# Altium PCB PCB1.PcbDoc (part 2 of 2)
Units mil, origin at the board's own origin, x right, y up, seen from the top; angles counter-clockwise.
Board outline 3937.01 x 3937.01 mil, 4 copper layers (Top Layer, Mid Layer 1, Mid Layer 2, Bottom Layer), stack 61.811 mil thick; 188 components, 212 nets, 743 pads, 260 vias.
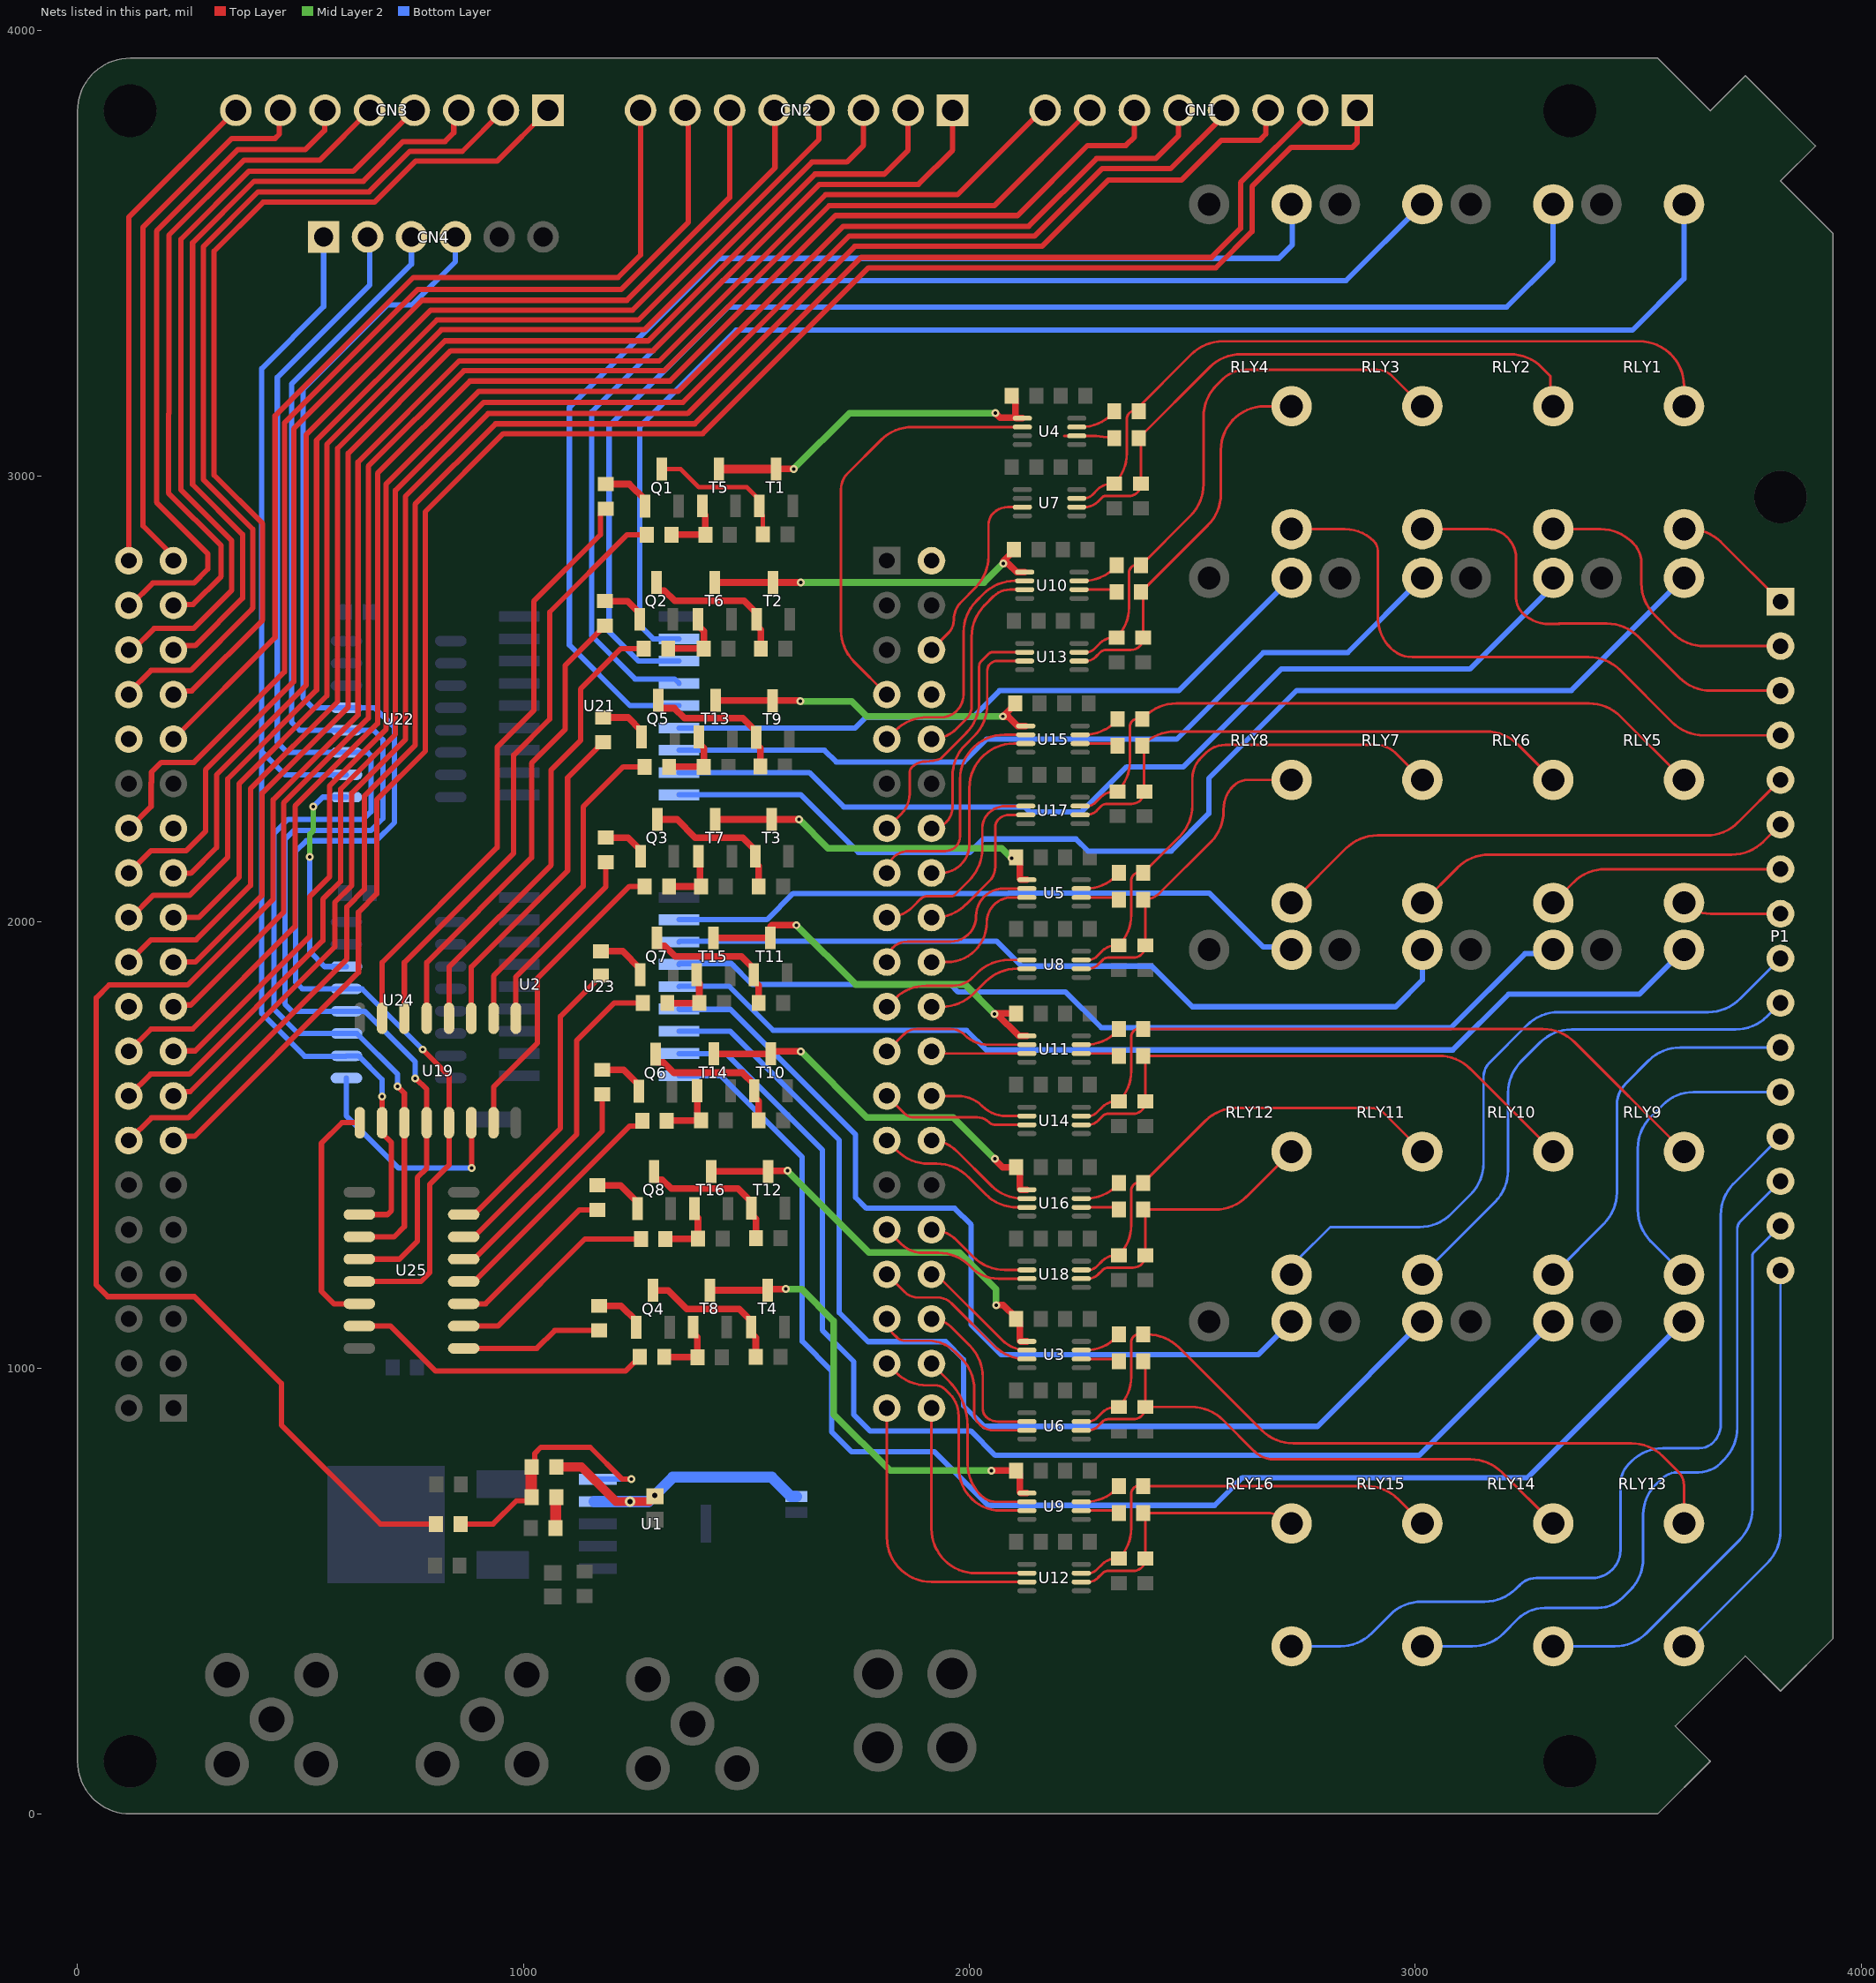
[diagram p4: the nets of this part, all layers, seen from the top]

## Via types
v1: diameter 23.62, hole 11.81, Top Layer to Bottom Layer, 155 vias
v2: diameter 17.72, hole 7.87, Top Layer to Bottom Layer, 80 vias
v3: diameter 31.5, hole 15.75, Top Layer to Bottom Layer, 13 vias
v4: diameter 23.62, hole 11.81, Top Layer to Bottom Layer, tented both sides, 10 vias
v5: diameter 17.72, hole 7.87, Top Layer to Bottom Layer, tented both sides, 2 vias

## Nets (pads, with @x,y where several pads share a name; then routed paths per layer and width w, separated by ;. In a path a pad name is that pad's centre, name@x,y a point inside that pad or via, vN(x,y) a via of type N, cw(c..) or ccw(c..) an arc to the next point about the centre after c; other vN are vias at no path point) (continued)
GPIO_03: U2.06 U7.3 | length 422.8
  Top Layer w5.78: U2.06@1915,2610 1952.98,2647.98 ccw(c1923.96,2677) 1965,2677 cw(c2022.94,2677) 1981.97,2717.97 2013.71,2749.71 ccw(c1943,2820.42) 2043,2820.42 2043,2890.44 cw(c2080.56,2890.44) 2054,2917 cw(c2085.77,2885.23) 2085.77,2930.16 U7.3@2118.87,2930.16
GPIO_04: U2.07 U4.2 | length 969
  Top Layer w5.78: U2.07@1815,2510 1741.29,2583.71 cw(c1812,2654.42) 1712,2654.42 1712,2970 cw(c1762.7,2970) 1726.83,3005.83 1801.55,3080.55 cw(c1872.26,3009.84) 1872.26,3109.84 U4.2@2118.87,3109.84
GPIO_05: U2.08
GPIO_06: U2.09 U10.2 | length 557.1
  Top Layer w5.78: U2.09@1815,2410 1834.71,2429.71 cw(c1905.42,2359) 1905.42,2459 1937,2459 ccw(c1937,2507.28) 1971.14,2473.14 1972,2474 ccw(c1935.79,2510.21) 1987,2510.21 1987,2649.58 cw(c2087,2649.58) 2016.29,2720.29 2031.55,2735.55 cw(c2102.26,2664.84) 2102.26,2764.84 U10.2@2123.98,2764.84
GPIO_07: U2.010 U10.3 | length 461.4
  Top Layer w5.78: U2.010@1915,2410 ccw(c1915,2489.67) 1971.33,2433.33 1993,2455 ccw(c1964.03,2483.97) 2005,2483.97 2005,2639.58 cw(c2105,2639.58) 2034.29,2710.29 2054,2730 cw(c2090.6,2693.4) 2090.6,2745.16 U10.3@2123.98,2745.16
GPIO_08: U2.013 U13.2 | length 581.9
  Top Layer w5.78: U2.013@1815,2210 1846.91,2241.91 ccw(c1800.82,2288) 1866,2288 1866,2334.93 cw(c1883.07,2334.93) 1871,2347 cw(c1902.38,2315.62) 1902.38,2360 ccw(c1902.38,2453.23) 1935.46,2366.06 1992.71,2423.32 ccw(c1922,2494.03) 2022,2494.03 2022,2573 cw(c2038.9,2573) 2026.94,2584.94 2044,2602 cw(c2050.86,2595.14) 2050.86,2604.84 U13.2@2123.98,2604.84
GPIO_09: U2.014 U13.3 | length 500.2
  Top Layer w5.78: U2.014@1915,2210 ccw(c1915,2257) 1962,2257 1962,2326.58 cw(c2062,2326.58) 1991.29,2397.29 2010.71,2416.71 ccw(c1940,2487.42) 2040,2487.42 2040,2563 cw(c2062.16,2563) 2062.16,2585.16 U13.3@2123.98,2585.16
GPIO_010: U2.015 U15.2 | length 543.1
  Top Layer w5.78: U2.015@1815,2110 cw(c1864,2110) 1864,2159 1946,2159 ccw(c1946,2192) 1979,2192 1979,2319.84 cw(c2079,2319.84) 2079,2419.84 U15.2@2126.42,2419.84
GPIO_011: U2.016 U15.3 | length 431.2
  Top Layer w5.78: U2.016@1915,2110 1936,2110 ccw(c1936,2174) 2000,2174 2000,2300.16 cw(c2100,2300.16) 2100,2400.16 U15.3@2126.42,2400.16
GPIO_012: U2.017 U17.2 | length 464.2
  Top Layer w5.78: U2.017@1815,2010 ccw(c1815,2092.08) 1873.04,2034.04 1890.64,2051.64 cw(c1906,2036.27) 1906,2058 1961.15,2058 ccw(c1961.15,2064.88) 1965.99,2059.99 ; 1966,2060 1999.71,2093.71 ccw(c1929,2164.42) 2029,2164.42 2029,2210.2 cw(c2076.8,2210.2) 2043,2244 cw(c2081.24,2205.76) 2081.24,2259.84 U17.2@2126.42,2259.84
GPIO_013: U2.018 U17.3 | length 368.3
  Top Layer w5.78: U2.018@1915,2010 1921.58,2010 ccw(c1921.58,2110) 1992.29,2039.29 2049.29,2096.29 ; 2050,2097 2049.29,2096.29 ; U17.3@2126.42,2240.16 2089.53,2240.16 ccw(c2089.53,2205.47) 2065,2230 ccw(c2081.9,2213.1) 2058,2213.1 2058,2123.8 cw(c2010.2,2123.8) 2049.29,2096.29
GPIO_014: U2.019 U5.2 | length 408
  Top Layer w5.78: U2.019@1815,1910 cw(c1861,1910) 1861,1956 1958,1956 ccw(c1958,2013) 2015,2013 cw(c2076.84,2013) 2076.84,2074.84 U5.2@2128.87,2074.84
GPIO_015: U2.020 U5.3 | length 296.7
  Top Layer w5.78: U2.020@1915,1910 1950,1910 ccw(c1950,1999) 2039,1999 cw(c2095.16,1999) 2095.16,2055.16 U5.3@2128.87,2055.16
GPIO_016: U2.021 U8.2 | length 345.9
  Top Layer w5.78: U2.021@1815,1810 1832.71,1827.71 cw(c1903.42,1757) 1903.42,1857 1962.13,1857 ccw(c1962.13,1921.87) 2008,1876 2017.55,1885.55 cw(c2088.26,1814.84) 2088.26,1914.84 U8.2@2128.87,1914.84
GPIO_017: U2.022 U8.3 | length 240.6
  Top Layer w5.78: U2.022@1915,1810 1938.58,1810 ccw(c1938.58,1910) 2009.29,1839.29 2036,1866 cw(c2106.4,1795.6) 2106.4,1895.16 U8.3@2128.87,1895.16
GPIO_18: CN1.1 U2.113 | length 4230.4
  Top Layer w12: U2.113@215,1510 224.57,1519.57 262.57,1519.57 630,1887 630,2022 671,2063 671,2274 780,2383 780,2920 955,3095 1402,3095 1774,3467 2553,3467 2634,3548 2634,3649 2722,3737 2859,3737 2870,3748 CN1.1@2870,3820
GPIO_018: U2.023 U11.2 | length 342.3
  Top Layer w5.78: U2.023@1815,1710 1852.98,1747.98 cw(c1882,1718.96) 1882,1760 1957.62,1760 cw(c1957.62,1715.62) 1989,1747 ccw(c2042.5,1800.5) 2042.5,1724.84 U11.2@2128.98,1724.84
GPIO_19: CN1.2 U2.114 | length 4179.8
  Top Layer w12: U2.114@115,1510 166,1561 248,1561 604,1917 604,2034 643,2073 643,2282 757,2396 757,2936.6 937.4,3117 1384.4,3117 1757.4,3490 2543,3490 2608,3555 2608,3658 CN1.2@2770,3820
GPIO_019: U2.024 U11.3 | length 215.3
  Top Layer w5.78: U2.024@1915,1710 ccw(c1926.68,1721.68) 1926.68,1705.16 U11.3@2128.98,1705.16
GPIO_020: U2.025 U14.3 | length 337.1
  Top Layer w5.78: U2.025@1815,1610 1854.53,1570.47 ccw(c1875,1590.97) 1875,1562 2017.44,1562 cw(c2017.44,1524.44) 2044,1551 ccw(c2058.1,1565.1) 2058.1,1545.16 U14.3@2128.98,1545.16
GPIO_021: U2.026 U14.2 | length 226.1
  Top Layer w5.78: U2.026@1915,1610 1973.47,1610 cw(c1973.47,1531.47) 2029,1587 ccw(c2082.5,1640.5) 2082.5,1564.84 U14.2@2128.98,1564.84
GPIO_022: U2.027 U16.3 | length 363.2
  Top Layer w5.78: U2.027@1815,1510 1838.04,1486.96 ccw(c1908,1556.98) 1908,1458 1926.58,1458 cw(c1926.58,1358) 1997.29,1428.71 2036.55,1389.45 ccw(c2107.26,1460.16) 2107.26,1360.16 U16.3@2128.98,1360.16
GPIO_023: U2.028 U16.2 | length 260.2
  Top Layer w5.78: U2.028@1915,1510 cw(c1915,1430.33) 1971.33,1486.67 2048.87,1409.13 ccw(c2119.58,1479.84) 2119.58,1379.84 U16.2@2128.98,1379.84
GPIO_024: U2.031 U18.3 | length 348.5
  Top Layer w5.78: U2.031@1815,1310 1846.51,1278.49 ccw(c1896,1328.01) 1896,1258 1930.58,1258 cw(c1930.58,1158) 2001.29,1228.71 2005,1225 ccw(c2064.97,1284.97) 2064.97,1200.16 U18.3@2128.98,1200.16
GPIO_025: U2.032 U18.2 | length 243.6
  Top Layer w5.78: U2.032@1915,1310 cw(c1915,1230.33) 1971.33,1286.67 2008.87,1249.13 ccw(c2079.58,1319.84) 2079.58,1219.84 U18.2@2128.98,1219.84
GPIO_026: U2.033 U3.3 | length 384.5
  Top Layer w5.78: U2.033@1815,1210 1854.27,1170.73 ccw(c1885,1201.46) 1885,1158 1928.62,1158 cw(c1928.62,1113.62) 1960,1145 2055.55,1049.45 ccw(c2126.26,1120.16) 2126.26,1020.16 U3.3@2128.98,1020.16
GPIO_027: U2.034 U3.2 | length 279.9
  Top Layer w5.78: U2.034@1915,1210 cw(c1915,1183.44) 1933.78,1202.22 2072.97,1063.03 ccw(c2128.98,1119.07) U3.2@2128.98,1039.84
GPIO_028: U2.035 U6.3 | length 477.4
  Top Layer w5.78: U2.035@1815,1110 ccw(c1860.87,1110) 1828.44,1077.56 1838,1068 ccw(c1854.9,1084.9) 1854.9,1061 1908.24,1061 cw(c1908.24,977.09) 1967.58,1036.42 1981.71,1022.29 cw(c1911,951.58) 2011,951.58 2011,898 ccw(c2039.97,898) 2019.49,877.51 2024.89,872.11 ccw(c2053.74,900.97) 2053.74,860.16 U6.3@2128.98,860.16
GPIO_029: U2.036 U6.2 | length 371.7
  Top Layer w5.78: U2.036@1915,1110 cw(c1915,1047.23) 1959.38,1091.62 2000.71,1050.29 cw(c1930,979.58) 2030,979.58 2030,907.9 ccw(c2053.9,907.9) 2037,891 ccw(c2063.94,917.94) 2063.94,879.84 U6.2@2128.98,879.84
GPIO_030: U2.037 U9.3 | length 542.5
  Top Layer w5.78: U2.037@1815,1010 1834.71,990.29 ccw(c1905.42,1061) 1905.42,961 1923.27,961 cw(c1923.27,927.85) 1946.71,951.29 1955,943 ; 1955.01,942.99 cw(c1904.3,892.3) 1976,892.3 1976,777.42 ccw(c2076,777.42) 2005.29,706.71 ccw(c2069.39,770.81) 2069.39,680.16 U9.3@2128.98,680.16
GPIO_031: U2.038 U9.2 | length 438.1
  Top Layer w5.78: U2.038@1915,1010 1953.49,971.51 cw(c1850.86,868.88) 1996,868.88 1996,785.42 ccw(c2096,785.42) 2025.29,714.71 ccw(c2061.19,750.61) 2061.19,699.84 U9.2@2128.98,699.84
GPIO_032: U2.039 U12.3 | length 660.9
  Top Layer w5.78: U2.039@1815,910 1815,620.16 ccw(c1915,620.16) 1915,520.16 U12.3@2128.98,520.16
GPIO_033: U2.040 U12.2 | length 541.5
  Top Layer w5.78: U2.040@1915,910 1915,639.42 ccw(c2015,639.42) 1944.29,568.71 ccw(c2013.99,638.41) 2013.99,539.84 U12.2@2128.98,539.84
GPIO_110: CN1.3 U2.115 | length 3897.7
  Top Layer w12: U2.115@215,1610 224.57,1619.57 252.57,1619.57 577,1944 577,2044 615,2082 615,2289 735,2409 735,2954.2 920.8,3140 1367.8,3140 1742.8,3515 2163,3515 2312,3664 2476,3664 2565,3753 2651,3753 2664.57,3766.57 2664.57,3814.57 CN1.3@2670,3820
GPIO_111: CN1.4 U2.116 | length 3873.3
  Top Layer w12: U2.116@115,1610 164,1659 251,1659 550,1958 550,2051 590,2091 590,2298 713,2421 713,2967.55 910.72,3165.28 1357.72,3165.28 1730.72,3538.28 2146.72,3538.28 2297.45,3689 2451,3689 2566,3804 2566,3816 CN1.4@2570,3820
GPIO_112: CN1.5 U2.117 | length 3655.6
  Top Layer w12: U2.117@215,1710 216,1711 264,1711 521,1968 521,2057 565,2101 565,2305 692.25,2432.25 692.25,2982.16 900.09,3190 1347.09,3190 1717.09,3560 2133.09,3560 2285.09,3712 2418,3712 2469,3763 2469,3819 CN1.5@2470,3820
GPIO_113: CN1.6 U2.118 | length 3650.9
  Top Layer w12: U2.118@115,1710 165,1760 258,1760 488,1990 488,2260 673,2445 673,3006 880,3213 1329,3213 1700,3584 2108,3584 2265,3741 2351,3741 2370,3760 CN1.6@2370,3820
GPIO_114: CN1.7 U2.119 | length 3361.9
  Top Layer w12: U2.119@215,1810 219,1814 254,1814 462,2022 462,2267 652,2457 652,3021.77 866.23,3236 1315.23,3236 1685.23,3606 2056,3606 CN1.7@2270,3820
GPIO_115: U2.120
GPIO_116: CN2.1 U2.121 | length 3058.5
  Top Layer w12: U2.121@215,1910 264,1910 414,2060 414,2289 607,2482 607,3051 837,3281 1291,3281 1664,3654 1886,3654 1962.5,3730.5 CN2.1@1962.5,3820
GPIO_117: CN2.2 U2.122 | length 3050.9
  Top Layer w12: U2.122@115,1910 165,1960 266,1960 388,2082 388,2299 583,2494 583,3062 824,3303 1280,3303 1654,3677 1809,3677 1862.5,3730.5 CN2.2@1862.5,3820
GPIO_118: CN2.3 U2.123 | length 2796.6
  Top Layer w12: U2.123@215,2010 272,2010 362,2100 362,2310 559,2507 559,3071 816,3328 1271,3328 1647,3704 1725,3704 1762.5,3741.5 CN2.3@1762.5,3820
GPIO_119: CN2.4 U2.124 | length 2766.7
  Top Layer w12: U2.124@115,2010 120,2010 170,2060 252,2060 337,2145 337,2321 536,2520 536,3080 806,3350 1258,3350 1662.5,3754.5 CN2.4@1662.5,3820
GPIO_120: CN2.5 U2.125 | length 2559
  Top Layer w12: U2.125@215,2110 216,2109 254,2109 312,2167 312,2330 513,2531 513,3093 792,3372 1245,3372 1564,3691 1564,3818.5 CN2.5@1562.5,3820
GPIO_121: CN2.6 U2.126 | length 2583.3
  Top Layer w12: U2.126@115,2110 165,2160 244,2160 287,2203 287,2341 485,2539 485,3106 773,3394 1232,3394 1462.5,3624.5 CN2.6@1462.5,3820
GPIO_123: CN2.7 U2.128 | length 2443.4
  Top Layer w12: U2.128@115,2210 116,2210 165,2259 165,2312 166,2313 166,2336 188,2358 261,2358 464,2561 464,3119 763,3418 1219,3418 1370,3569 1370,3812.5 CN2.7@1362.5,3820
GPIO_124: CN2.8 U2.131 | length 2112.8
  Top Layer w12: U2.131@215,2410 443,2638 443,3135 753,3445 1212,3445 1262.5,3495.5 CN2.8@1262.5,3820
GPIO_126: CN3.1 U2.133 | length 2021.2
  Top Layer w12: U2.133@215,2510 223,2518 256,2518 415,2677 415,2893 306,3002 306,3504 416,3614 666,3614 758,3706 941,3706 CN3.1@1055,3820
GPIO_127: CN3.2 U2.134 | length 2017
  Top Layer w12: U2.134@115,2510 115,2514 165,2564 254,2564 390,2700 390,2701 393,2704 393,2881 282,2992 282,3514 405,3637 654,3637 745,3728 863,3728 CN3.2@955,3820
GPIO_128: CN3.3 U2.135 | length 1789.3
  Top Layer w12: U2.135@215,2610 224.57,2619.57 263.57,2619.57 370,2726 370,2869 258,2981 258,3523 396,3661 641,3661 730,3750 824,3750 843.74,3769.74 843.74,3808.74 CN3.3@855,3820
GPIO_129: CN3.4 U2.136 | length 1763.4
  Top Layer w12: U2.136@115,2610 124,2610 172,2658 260,2658 346,2744 346,2855 232,2969 232,3531 384,3683 618,3683 CN3.4@755,3820
GPIO_130: CN3.5 U2.137 | length 1514.2
  Top Layer w12: U2.137@215,2710 217,2712 259,2712 322,2775 322,2844 204,2962 204,3139 205,3140 205,3540 373,3708 543,3708 CN3.5@655,3820
GPIO_131: CN3.6 U2.138 | length 1532.2
  Top Layer w12: U2.138@115,2710 119,2710 169,2760 261,2760 292,2791 292,2826 177,2941 177,3549 360,3732 511,3732 554,3775 554,3819 CN3.6@555,3820
GPIO_132: CN3.7 U2.139 | length 1222.6
  Top Layer w12: U2.139@215,2810 215,2820 147,2888 147,3558 346,3757 443,3757 452.57,3766.57 452.57,3817.57 CN3.7@455,3820
GPIO_133: CN3.8 U2.140 | length 1109.4
  Top Layer w12: U2.140@115,2810 115,3580 CN3.8@355,3820
IO1: P1.1 RLY1.3 | length 279.3
  Top Layer w5.78: RLY1.3@3602.5,2880.85 3615.13,2880.85 cw(c3615.13,2780.85) 3685.84,2851.56 P1.1@3818.9,2718.5
IO2: P1.2 RLY2.3 | length 669
  Top Layer w5.78: RLY2.3@3309.17,2880.85 3415.73,2880.85 cw(c3415.73,2780.85) 3486.44,2851.56 3488.62,2849.38 cw(c3444.23,2805) 3507,2805 3507,2759.42 ccw(c3607,2759.42) 3536.29,2688.71 3577.21,2647.79 ccw(c3647.92,2718.5) 3647.92,2618.5 P1.2@3818.9,2618.5
IO3: P1.3 RLY3.3 | length 1018.4
  Top Layer w5.78: RLY3.3@3015.83,2880.85 3162.91,2880.85 cw(c3162.91,2819.91) 3206,2863 cw(c3157.72,2814.72) 3226,2814.72 3226,2726.8 ccw(c3273.8,2726.8) 3240,2693 ccw(c3300.36,2753.36) 3300.36,2668 3324,2668 ccw(c3321.59,2665.59) 3321.59,2669 3429.58,2669 cw(c3429.58,2569) 3500.29,2639.71 3592.21,2547.79 ccw(c3662.92,2618.5) 3662.92,2518.5 P1.3@3818.9,2518.5
IO4: P1.4 RLY4.3 | length 1385.2
  Top Layer w5.78: RLY4.3@2722.5,2880.85 2842.18,2880.85 cw(c2842.18,2789.18) 2907,2854 cw(c2885.27,2832.27) 2916,2832.27 2916,2684.01 ccw(c3015.01,2684.01) 2945,2614 ccw(c2993.28,2662.28) 2993.28,2594 3388.58,2594 cw(c3388.58,2494) 3459.29,2564.71 3576.21,2447.79 ccw(c3646.92,2518.5) 3646.92,2418.5 P1.4@3818.9,2418.5
IO5: P1.5 RLY8.3 | length 1201.9
  Top Layer w5.78: RLY8.3@2722.5,2043.08 2844.13,2164.71 cw(c2914.84,2094) 2914.84,2194 3652.97,2194 ccw(c3652.97,2294) 3723.68,2223.29 P1.5@3818.9,2318.5
IO6: P1.6 RLY7.3 | length 867.1
  Top Layer w5.78: RLY7.3@3015.83,2043.08 3094.46,2121.71 cw(c3165.17,2051) 3165.17,2151 3709.97,2151 ccw(c3709.97,2251) 3780.68,2180.29 P1.6@3818.9,2218.5
IO7: P1.7 RLY6.3 | length 536.7
  Top Layer w5.78: RLY6.3@3309.17,2043.08 3355.3,2089.21 cw(c3426.01,2018.5) 3426.01,2118.5 P1.7@3818.9,2118.5
IO8: P1.8 RLY5.3 | length 223
  Top Layer w5.78: RLY5.3@3602.5,2043.08 ccw(c3661.84,2102.42) 3661.84,2018.5 P1.8@3818.9,2018.5
IO9: P1.9 RLY12.3 | length 1528.8
  Bottom Layer w5.78: RLY12.3@2722.5,1209.47 cw(c2770.86,1209.47) 2736.67,1243.67 2809,1316 3009.58,1316 ccw(c3009.58,1416) 3080.29,1345.29 3123.71,1388.71 ccw(c3053,1459.42) 3153,1459.42 3153,1652.62 cw(c3197.38,1652.62) 3166,1684 3250.71,1768.71 cw(c3321.42,1698) 3321.42,1798 3656.97,1798 ccw(c3656.97,1898) 3727.68,1827.29 P1.9@3818.9,1918.5
IO10: P1.10 RLY11.3 | length 1188.3
  Bottom Layer w5.78: RLY11.3@3015.83,1209.47 3178.71,1372.34 ccw(c3108,1443.05) 3208,1443.05 3208,1616.58 cw(c3308,1616.58) 3237.29,1687.29 3279.71,1729.71 cw(c3350.42,1659) 3350.42,1759 3717.97,1759 ccw(c3717.97,1859) 3788.68,1788.29 P1.10@3818.9,1818.5
IO11: P1.11 RLY10.3 | length 864.6
  Bottom Layer w5.78: RLY10.3@3309.17,1209.47 3422.71,1323.01 ccw(c3352,1393.72) 3452,1393.72 3452,1589 cw(c3522.01,1589) 3472.49,1638.49 3523.21,1689.21 cw(c3593.93,1618.5) 3593.93,1718.5 P1.11@3818.9,1718.5
IO12: P1.12 RLY9.3 | length 709.5
  Bottom Layer w5.78: RLY9.3@3602.5,1209.47 3528.29,1283.68 cw(c3599,1354.39) 3499,1354.39 3499,1492.58 cw(c3599,1492.58) 3528.29,1563.29 3555.01,1590.01 cw(c3623.81,1521.19) 3623.81,1618.5 P1.12@3818.9,1618.5
IO13: P1.13 RLY16.3 | length 1963.7
  Bottom Layer w5.78: RLY16.3@2722.5,375.85 2831.43,375.85 ccw(c2831.43,475.85) 2902.14,405.14 2943.71,446.71 cw(c3014.42,376) 3014.42,476 3155.58,476 ccw(c3155.58,576) 3226.29,505.29 3235,514 cw(c3271.21,477.79) 3271.21,529 3396.13,529 ccw(c3396.13,593.87) 3442,548 ccw(c3398.54,591.46) 3460,591.46 3460,739.13 cw(c3524.87,739.13) 3479,785 3484.71,790.71 cw(c3555.42,720) 3555.42,820 3636.62,820 ccw(c3636.62,864.38) 3668,833 ccw(c3626.96,874.04) 3685,874.04 3685,1343.18 cw(c3785,1343.18) 3714.29,1413.9 P1.13@3818.9,1518.5
IO14: P1.14 RLY15.3 | length 1601.1
  Bottom Layer w5.78: RLY15.3@3015.83,375.85 3127.43,375.85 ccw(c3127.43,475.85) 3198.14,405.14 3230,437 cw(c3290.36,376.64) 3290.36,462 3409.47,462 ccw(c3409.47,540.53) 3465,485 3481.71,501.71 ccw(c3411,572.42) 3511,572.42 3511,671 cw(c3605.15,671) 3538.58,737.58 3552,751 cw(c3588.21,714.79) 3588.21,766 3635,766 ccw(c3635,836.01) 3684.51,786.51 3692.71,794.71 ccw(c3622,865.42) 3722,865.42 3722,1312 cw(c3745.19,1312) 3728.78,1328.38 P1.14@3818.9,1418.5
IO15: P1.15 RLY14.3 | length 1250.1
  Bottom Layer w5.78: RLY14.3@3309.17,375.85 3447.43,375.85 ccw(c3447.43,475.85) 3518.14,405.14 3726.71,613.71 ccw(c3656,684.42) 3756,684.42 3756,1252 cw(c3764.71,1252) 3758.54,1258.15 P1.15@3818.9,1318.5
IO16: P1.16 RLY13.3 | length 928
  Bottom Layer w5.78: RLY13.3@3602.5,375.85 3789.61,562.96 ccw(c3718.9,633.67) 3818.9,633.67 P1.16@3818.9,1218.5
IO-1-2-off: R30.1 U19.6 | length 1335.7
  Top Layer w12: U19.6@733,1784 733,1909 978,2154 978,2374 1059,2455 1059,2695 1232.34,2868.34 R30.1@1276.85,2868.34
IO-1-2-on: R44.2 U19.7 | length 1351.6
  Top Layer w12: U19.7@683,1784 683,1909 941,2167 941,2392 1023,2474 1023,2719 1172.68,2868.68 1172.68,2917.03 1182.43,2926.78 R44.2@1184.4,2926.78
IO-1-2-out: C3.2 T1.2 T5.2 U4.1 | length 789.9
  Top Layer w15: T1.2@1566.4,3015.68 v2(1605.68,3015.68) ; v2(2058,3141) 2058.74,3141 2068.81,3130.93 U4.1@2103.72,3130.93 ; C3.2@2094.89,3180 2103.14,3171.75 2103.14,3131.52 U4.1@2103.72,3130.93 ; U4.1@2118.87,3129.53 2105.12,3129.53 U4.1@2103.72,3130.93
  Top Layer w20: T5.2@1438.4,3015.68 T1.2@1566.4,3015.68
  Mid Layer 2 w15: v2(1605.68,3015.68) 1731,3141 v2(2058,3141)
IO-3-4-off: R39.1 U19.4 | length 1039.3
  Top Layer w12: U19.4@833,1784 833,1899 1062,2128 1062,2341 1128,2407 1128,2522 1219,2613 R39.1@1269.44,2613
IO-3-4-on: R49.2 U19.5 | length 1047.3
  Top Layer w12: U19.5@783,1784 783,1909 1018,2144 1018,2356 1094,2432 1094,2575.44 1171.28,2652.72 1171.28,2654.69 1181.03,2664.44 R49.2@1183,2664.44
IO-3-4-out: C15.2 T2.2 T6.2 U10.1 | length 761.7
  Top Layer w15: T6.2@1429,2761.34 T2.2@1560,2761.34 v2(1622.34,2761.34) ; C15.2@2100,2835 2100,2833.03 2076.52,2809.55 2076.52,2804.52 v2(2076,2804) 2076.52,2803.48 2086.96,2803.48 2105.91,2784.53 U10.1@2123.98,2784.53
  Mid Layer 2 w15: v2(1622.34,2761.34) 2033.34,2761.34 v2(2076,2804)